# KiCad board Panel_R0.5.1_300x300_2layer_step1.kicad_pcb (continued)
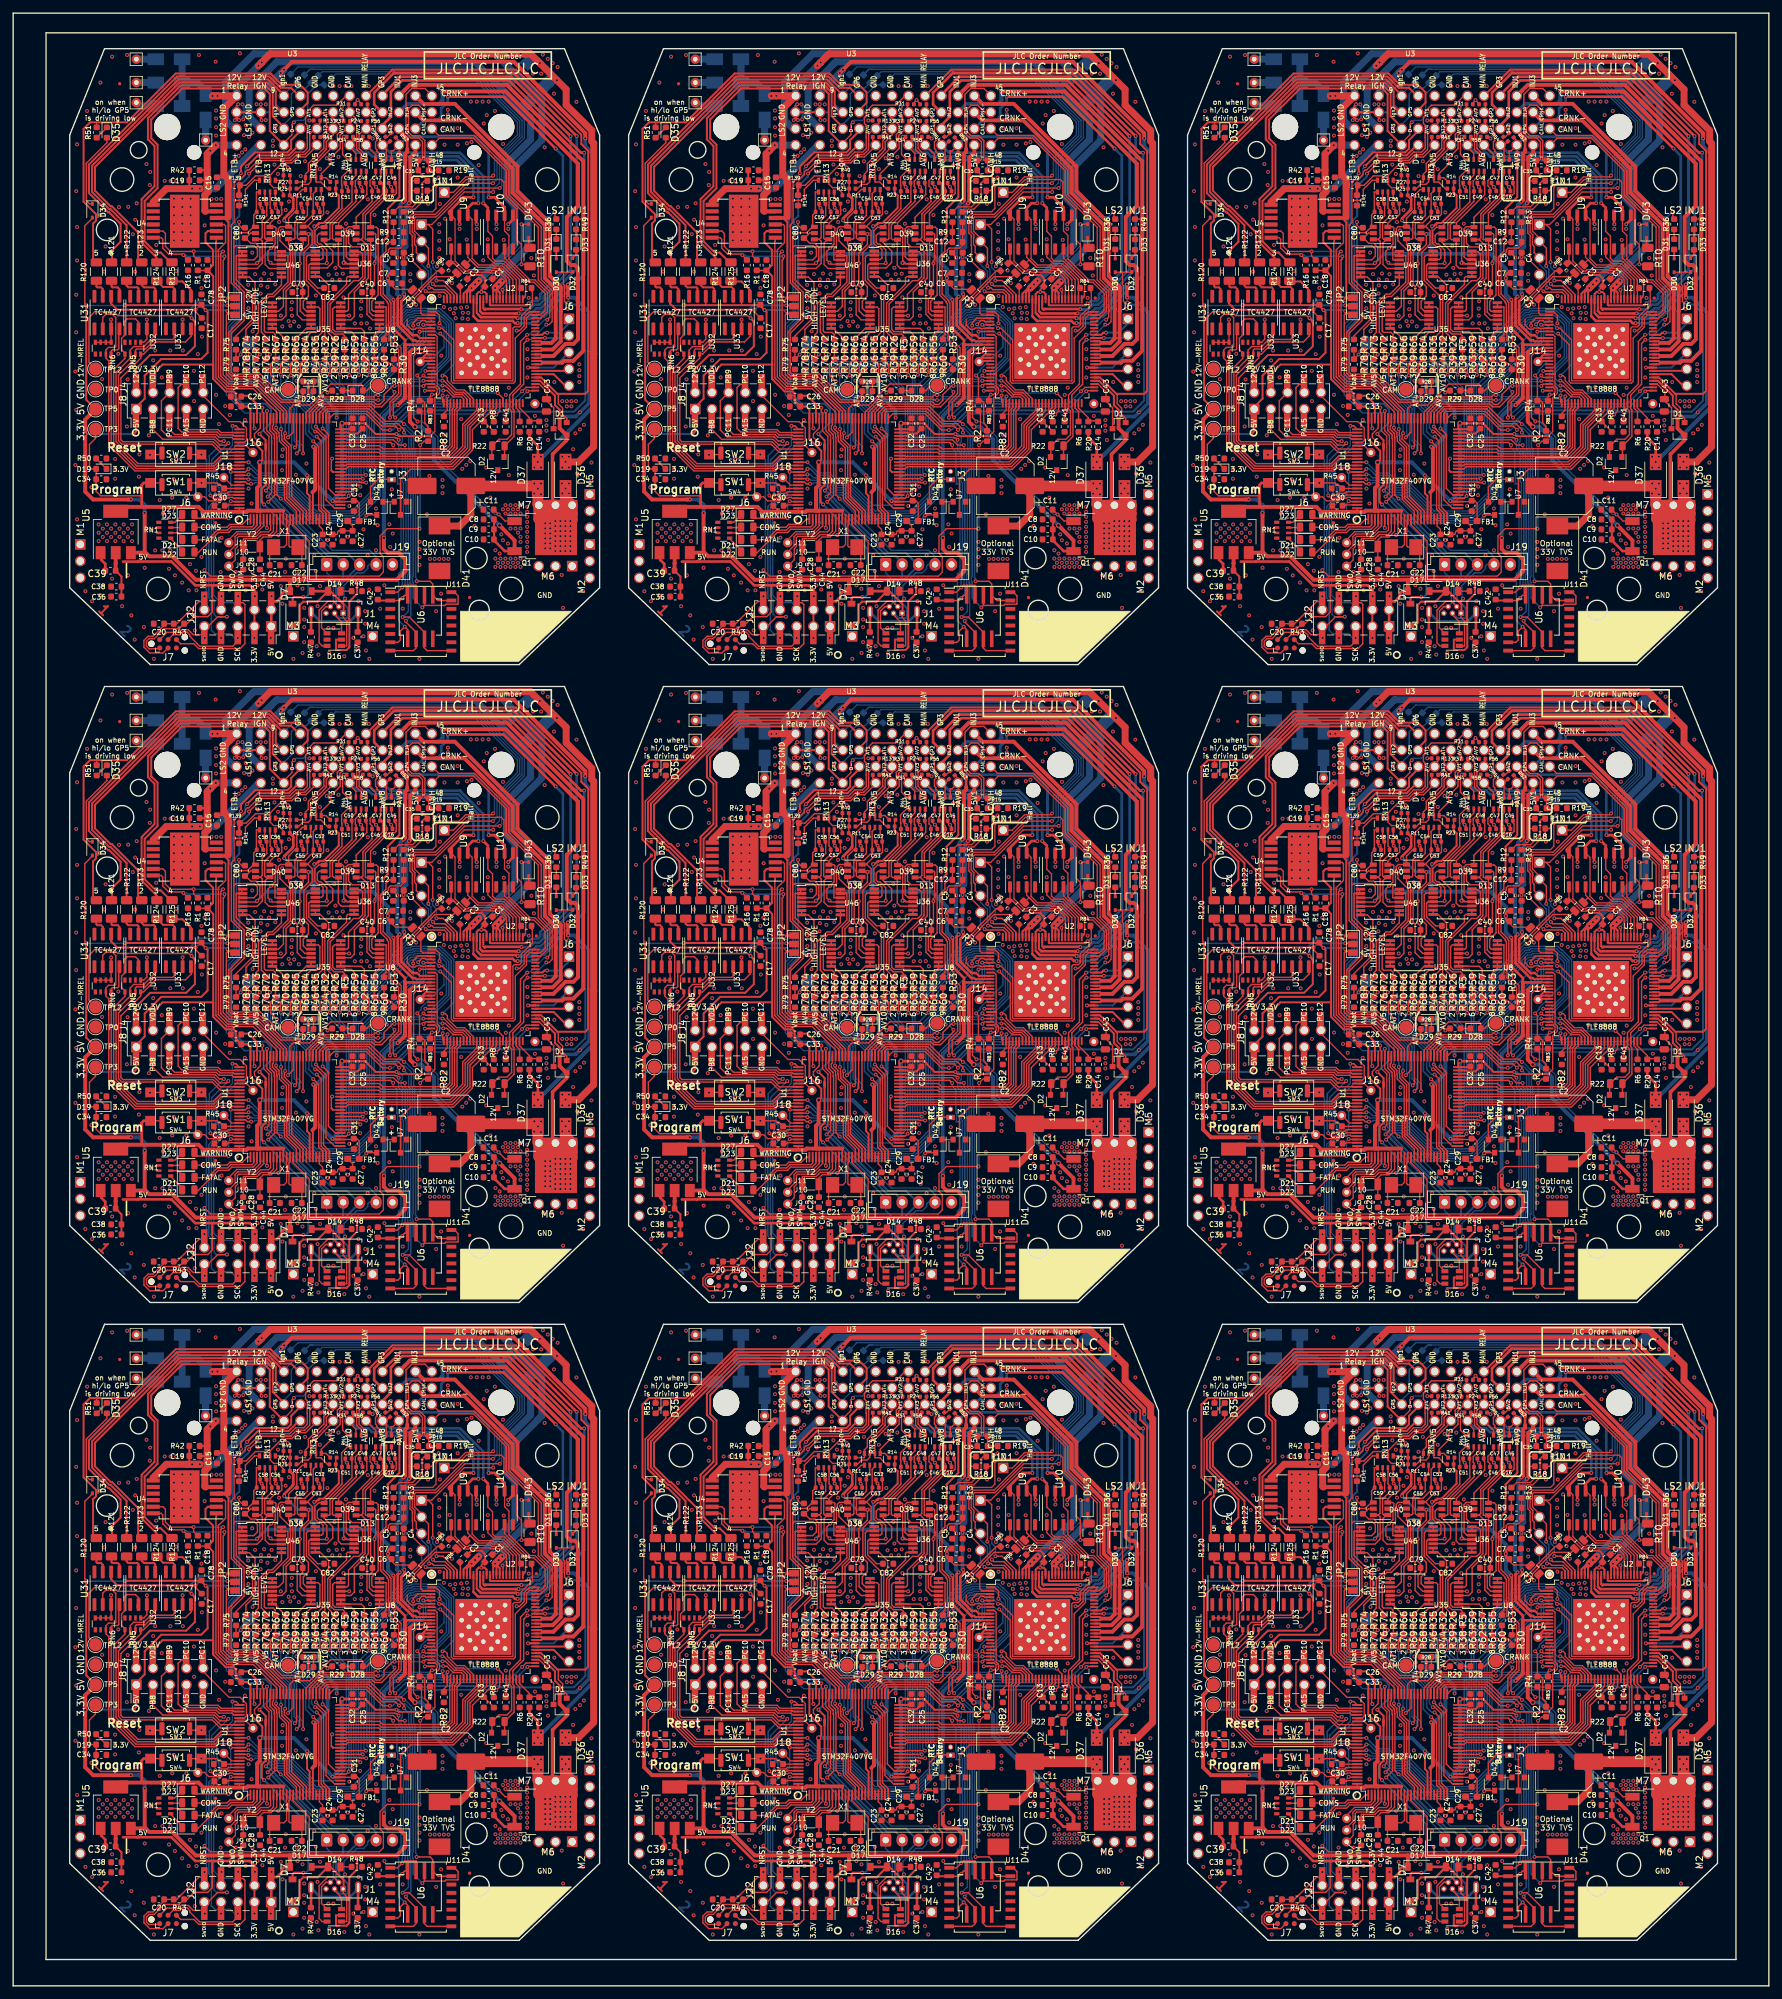
[diagram p0: board, top side]
## Routing (per net, layer and track width the routed paths; a pad name or vN(x,y) marks a point on that pad's centre or on a via; arc(x,y) is an arc through that point) (continued)
/5V2: length 346
  Top w0.203: 142.8,263.57 142.8,263.46 v1(143.4,262.86) ; v1(228.4,262.86) 227.8,263.46 227.8,263.57 ; v1(228.4,165.86) 227.8,166.46 C5#5.1 ; v1(143.4,165.86) 142.8,166.46 C5#4.1 ; C5#6.1 57.8,166.46 v1(58.4,165.86) ; C5#7.1 227.8,69.46 v1(228.4,68.86) ; C5#8.1 142.8,69.46 v1(143.4,68.86) ; C5#9.1 57.8,69.46 v1(58.4,68.86) ; v1(58.4,262.86) 57.8,263.46 57.8,263.57
  Top w0.305: U2#2.10 146.3,250.1 146.15,250.25 ; 231.15,250.25 231.3,250.1 U2#3.10 ; 231.15,153.25 231.3,153.1 U2#5.10 ; 146.15,153.25 146.3,153.1 U2#6.10 ; U2#4.10 61.3,153.1 61.15,153.25 ; 231.15,56.25 231.3,56.1 U2#8.10 ; 146.15,56.25 146.3,56.1 U2#9.10 ; U2#7.10 61.3,56.1 61.15,56.25 ; 61.15,250.25 61.3,250.1 U2.10
  Top w0.406: v1(143.79,256.88) 143.48,256.57 143.48,252.52 145.74,250.25 146.15,250.25 ; 144.9,280.6 144.93,280.57 144.93,279.33 ; v1(228.79,256.88) 228.48,256.57 228.48,252.52 230.74,250.25 231.15,250.25 ; 229.9,280.6 229.93,280.57 229.93,279.33 ; 231.15,153.25 230.74,153.25 228.48,155.52 228.48,159.57 v1(228.79,159.88) ; 229.9,183.6 229.93,183.57 229.93,182.33 ; v1(143.79,159.88) 143.48,159.57 143.48,155.52 145.74,153.25 146.15,153.25 ; 144.9,183.6 144.93,183.57 144.93,182.33 ; v1(58.79,159.88) 58.48,159.57 58.48,155.52 60.74,153.25 61.15,153.25 ; 59.9,183.6 59.93,183.57 59.93,182.33 ; 231.15,56.25 230.74,56.25 228.48,58.52 228.48,62.57 v1(228.79,62.88) ; 229.93,85.33 229.93,86.57 229.9,86.6 ; 144.9,86.6 144.93,86.57 144.93,85.33 ; 146.15,56.25 145.74,56.25 143.48,58.52 143.48,62.57 v1(143.79,62.88) ; v1(58.79,62.88) 58.48,62.57 58.48,58.52 60.74,56.25 61.15,56.25 ; 59.93,85.33 59.93,86.57 59.9,86.6 ; v1(58.79,256.88) 58.48,256.57 58.48,252.52 60.74,250.25 61.15,250.25 ; 59.93,279.33 59.93,280.57 59.9,280.6
  Top w0.6: U3#2.39 143.67,282.27 144.18,281.76 144.18,281.54 144.9,280.82 144.9,280.6 ; 144.93,279.33 144.93,278.93 144.6,278.6 144.6,271.56 v1(144.37,271.33) ; 229.93,279.33 229.93,278.93 229.6,278.6 229.6,271.56 v1(229.37,271.33) ; U3#3.39 228.67,282.27 229.18,281.76 229.18,281.54 229.9,280.82 229.9,280.6 ; 229.93,182.33 229.93,181.93 229.6,181.6 229.6,174.56 v1(229.37,174.33) ; U3#5.39 228.67,185.27 229.18,184.76 229.18,184.54 229.9,183.82 229.9,183.6 ; 144.93,182.33 144.93,181.93 144.6,181.6 144.6,174.56 v1(144.37,174.33) ; U3#6.39 143.67,185.27 144.18,184.76 144.18,184.54 144.9,183.82 144.9,183.6 ; U3#4.39 58.67,185.27 59.18,184.76 59.18,184.54 59.9,183.82 59.9,183.6 ; 59.93,182.33 59.93,181.93 59.6,181.6 59.6,174.56 v1(59.37,174.33) ; 229.93,85.33 229.93,84.93 229.6,84.6 229.6,77.56 v1(229.37,77.33) ; 229.9,86.6 229.9,86.82 229.18,87.54 229.18,87.76 228.67,88.27 U3#7.39 ; v1(144.37,77.33) 144.6,77.56 144.6,84.6 144.93,84.93 144.93,85.33 ; 144.9,86.6 144.9,86.82 144.18,87.54 144.18,87.76 143.67,88.27 U3#9.39 ; U3#8.39 58.67,88.27 59.18,87.76 59.18,87.54 59.9,86.82 59.9,86.6 ; 59.93,85.33 59.93,84.93 59.6,84.6 59.6,77.56 v1(59.37,77.33) ; 59.9,280.6 59.9,280.82 59.18,281.54 59.18,281.76 58.67,282.27 U3.39 ; v1(59.37,271.33) 59.6,271.56 59.6,278.6 59.93,278.93 59.93,279.33
  Bottom w0.6: v1(144.37,271.33) 143.9,270.86 143.9,264.8 143.4,264.3 v1(143.4,262.86) 143.4,257.27 v1(143.79,256.88) ; v1(228.79,256.88) 228.4,257.27 v1(228.4,262.86) 228.4,264.3 228.9,264.8 228.9,270.86 v1(229.37,271.33) ; v1(229.37,174.33) 228.9,173.86 228.9,167.8 228.4,167.3 v1(228.4,165.86) 228.4,160.27 v1(228.79,159.88) ; v1(143.79,159.88) 143.4,160.27 v1(143.4,165.86) 143.4,167.3 143.9,167.8 143.9,173.86 v1(144.37,174.33) ; v1(59.37,174.33) 58.9,173.86 58.9,167.8 58.4,167.3 v1(58.4,165.86) 58.4,160.27 v1(58.79,159.88) ; v1(229.37,77.33) 228.9,76.86 228.9,70.8 228.4,70.3 v1(228.4,68.86) 228.4,63.27 v1(228.79,62.88) ; v1(144.37,77.33) 143.9,76.86 143.9,70.8 143.4,70.3 v1(143.4,68.86) 143.4,63.27 v1(143.79,62.88) ; v1(58.79,62.88) 58.4,63.27 v1(58.4,68.86) 58.4,70.3 58.9,70.8 58.9,76.86 v1(59.37,77.33) ; v1(59.37,271.33) 58.9,270.86 58.9,264.8 58.4,264.3 v1(58.4,262.86) 58.4,257.27 v1(58.79,256.88)
/12V_KEY: length 1053
  Top w0.406: 163.51,236.46 163.51,235.48 164.8,234.2 164.8,231.76 v1(164.79,231.75) 164.99,231.95 ; 248.51,236.46 248.51,235.48 249.8,234.2 249.8,231.76 v1(249.79,231.75) 249.99,231.95 ; 78.51,139.46 78.51,138.48 79.8,137.2 79.8,134.76 v1(79.79,134.75) 79.99,134.95 ; 163.51,139.46 163.51,138.48 164.8,137.2 164.8,134.76 v1(164.79,134.75) 164.99,134.95 ; 249.99,134.95 v1(249.79,134.75) 249.8,134.76 249.8,137.2 248.51,138.48 248.51,139.46 ; 164.99,37.95 v1(164.79,37.75) 164.8,37.76 164.8,40.2 163.51,41.48 163.51,42.46 ; 249.99,37.95 v1(249.79,37.75) 249.8,37.76 249.8,40.2 248.51,41.48 248.51,42.46 ; 79.99,37.95 v1(79.79,37.75) 79.8,37.76 79.8,40.2 78.51,41.48 78.51,42.46 ; 79.99,231.95 v1(79.79,231.75) 79.8,231.76 79.8,234.2 78.51,235.48 78.51,236.46
  Top w0.6: v1(172.01,280.97) 172.01,281.74 161.15,292.6 127.4,292.6 v1(125.7,290.9) ; v1(210.7,290.9) 212.4,292.6 246.15,292.6 257.01,281.74 v1(257.01,280.97) ; v1(87.01,183.97) 87.01,184.74 76.15,195.6 42.4,195.6 v1(40.7,193.9) ; v1(125.7,193.9) 127.4,195.6 161.15,195.6 172.01,184.74 v1(172.01,183.97) ; v1(210.7,193.9) 212.4,195.6 246.15,195.6 257.01,184.74 v1(257.01,183.97) ; v1(125.7,96.9) 127.4,98.6 161.15,98.6 172.01,87.74 v1(172.01,86.97) ; v1(257.01,86.97) 257.01,87.74 246.15,98.6 212.4,98.6 v1(210.7,96.9) ; v1(40.7,96.9) 42.4,98.6 76.15,98.6 87.01,87.74 v1(87.01,86.97) ; v1(87.01,280.97) 87.01,281.74 76.15,292.6 42.4,292.6 v1(40.7,290.9)
  Bottom w0.6: v1(172.01,280.97) 172,280.96 172,279.75 173.4,278.35 173.4,240.36 v1(164.79,231.75) 165.09,232.05 ; v1(257.01,280.97) 257,280.96 257,279.75 258.4,278.35 258.4,240.36 v1(249.79,231.75) 250.09,232.05 ; v1(87.01,183.97) 87,183.96 87,182.75 88.4,181.35 88.4,143.36 v1(79.79,134.75) 80.09,135.05 ; v1(172.01,183.97) 172,183.96 172,182.75 173.4,181.35 173.4,143.36 v1(164.79,134.75) 165.09,135.05 ; v1(257.01,183.97) 257,183.96 257,182.75 258.4,181.35 258.4,143.36 v1(249.79,134.75) 250.09,135.05 ; v1(172.01,86.97) 172,86.96 172,85.75 173.4,84.35 173.4,46.36 v1(164.79,37.75) 165.09,38.05 ; v1(257.01,86.97) 257,86.96 257,85.75 258.4,84.35 258.4,46.36 v1(249.79,37.75) 250.09,38.05 ; v1(87.01,86.97) 87,86.96 87,85.75 88.4,84.35 88.4,46.36 v1(79.79,37.75) 80.09,38.05 ; 80.09,232.05 v1(79.79,231.75) 88.4,240.36 88.4,278.35 87,279.75 87,280.96 v1(87.01,280.97)
  Bottom w1.067: U3#2.5 122.67,287.87 v1(125.7,290.9) 126.18,291.38 ; 211.18,291.38 v1(210.7,290.9) 207.67,287.87 U3#3.5 ; U3#4.5 37.67,190.87 v1(40.7,193.9) 41.18,194.38 ; 126.18,194.38 v1(125.7,193.9) 122.67,190.87 U3#6.5 ; U3#5.5 207.67,190.87 v1(210.7,193.9) 211.18,194.38 ; 126.18,97.38 v1(125.7,96.9) 122.67,93.87 U3#9.5 ; U3#7.5 207.67,93.87 v1(210.7,96.9) 211.18,97.38 ; 41.18,97.38 v1(40.7,96.9) 37.67,93.87 U3#8.5 ; 41.18,291.38 v1(40.7,290.9) 37.67,287.87 U3.5
  vias: v1(41.2,291.4) v1(41.2,194.4) v1(41.2,97.4) v1(79.26,232.55) v1(79.26,230.89) v1(79.26,135.54) v1(79.26,133.89) v1(79.26,38.55) v1(79.26,36.89) v1(80.28,232.55) v1(80.28,230.89) v1(80.28,135.54) v1(80.28,133.89) v1(80.28,38.55) v1(80.28,36.89) v1(126.2,291.4) v1(126.2,194.4) v1(126.2,97.4) v1(164.26,232.55) v1(164.26,230.89) v1(164.26,135.54) v1(164.26,133.89) v1(164.26,38.55) v1(164.26,36.89) v1(165.28,232.55) v1(165.28,230.89) v1(165.28,135.54) v1(165.28,133.89) v1(165.28,38.55) v1(165.28,36.89) v1(211.2,291.4) v1(211.2,194.4) v1(211.2,97.4) v1(249.26,232.55) v1(249.26,230.89) v1(249.26,135.54) v1(249.26,133.89) v1(249.26,38.55) v1(249.26,36.89) v1(250.28,232.55) v1(250.28,230.89) v1(250.28,135.54) v1(250.28,133.89) v1(250.28,38.55) v1(250.28,36.89)
/12V_MREL: length 2069.5
  Top w0.216: v1(112.14,253.61) 111.7,254 100.9,254 100.3,254.6 97.4,254.6 96.53,253.72 96.53,246.93 97.57,245.88 ; 182.57,245.88 181.53,246.93 181.53,253.72 182.4,254.6 185.3,254.6 185.9,254 196.7,254 v1(197.14,253.61) ; v1(27.14,156.61) 26.7,157 15.9,157 15.3,157.6 12.4,157.6 11.53,156.72 11.53,149.93 12.57,148.88 ; 97.57,148.88 96.53,149.93 96.53,156.72 97.4,157.6 100.3,157.6 100.9,157 111.7,157 v1(112.14,156.61) ; 182.57,148.88 181.53,149.93 181.53,156.72 182.4,157.6 185.3,157.6 185.9,157 196.7,157 v1(197.14,156.61) ; 97.57,51.88 96.53,52.93 96.53,59.72 97.4,60.6 100.3,60.6 100.9,60 111.7,60 v1(112.14,59.61) ; 182.57,51.88 181.53,52.93 181.53,59.72 182.4,60.6 185.3,60.6 185.9,60 196.7,60 v1(197.14,59.61) ; 12.57,51.88 11.53,52.93 11.53,59.72 12.4,60.6 15.3,60.6 15.9,60 26.7,60 v1(27.14,59.61) ; v1(27.14,253.61) 26.7,254 15.9,254 15.3,254.6 12.4,254.6 11.53,253.72 11.53,246.93 12.57,245.88
  Top w0.305: 117.08,268.86 117.74,268.2 117.74,256.91 117.58,256.74 v1(117.58,256.32) 117.99,256.73 JP2#2.3 ; C15#2.1 117.46,275.04 117.7,274.8 ; v1(112.14,253.61) 112.6,253.15 112.6,253.05 112.64,253 112.64,249.34 111.31,248.01 105.81,248.01 103.68,245.88 J4#2.2 ; 202.7,274.8 202.46,275.04 C15#3.1 ; JP2#3.3 202.99,256.73 v1(202.58,256.32) 202.58,256.74 202.74,256.91 202.74,268.2 202.08,268.86 ; v1(197.14,253.61) 197.6,253.15 197.6,253.05 197.64,253 197.64,249.34 196.31,248.01 190.81,248.01 188.68,245.88 J4#3.2 ; 32.08,171.86 32.74,171.2 32.74,159.91 32.58,159.74 v1(32.58,159.32) 32.99,159.73 JP2#6.3 ; C15#6.1 32.46,178.04 32.7,177.8 ; v1(27.14,156.61) 27.6,156.15 27.6,156.05 27.64,156 27.64,152.34 26.31,151.01 20.81,151.01 18.68,148.88 J4#4.2 ; 117.7,177.8 117.46,178.04 C15#4.1 ; JP2#4.3 117.99,159.73 v1(117.58,159.32) 117.58,159.74 117.74,159.91 117.74,171.2 117.08,171.86 ; v1(112.14,156.61) 112.6,156.15 112.6,156.05 112.64,156 112.64,152.34 111.31,151.01 105.81,151.01 103.68,148.88 J4#6.2 ; JP2#5.3 202.99,159.73 v1(202.58,159.32) 202.58,159.74 202.74,159.91 202.74,171.2 202.08,171.86 ; 202.7,177.8 202.46,178.04 C15#5.1 ; v1(197.14,156.61) 197.6,156.15 197.6,156.05 197.64,156 197.64,152.34 196.31,151.01 190.81,151.01 188.68,148.88 J4#5.2 ; 117.7,80.8 117.46,81.04 C15#8.1 ; JP2#7.3 117.99,62.73 v1(117.58,62.32) 117.58,62.74 117.74,62.91 117.74,74.2 117.08,74.86 ; v1(112.14,59.61) 112.6,59.15 112.6,59.05 112.64,59 112.64,55.34 111.31,54.01 105.81,54.01 103.68,51.88 J4#9.2 ; JP2#8.3 202.99,62.73 v1(202.58,62.32) 202.58,62.74 202.74,62.91 202.74,74.2 202.08,74.86 ; 202.7,80.8 202.46,81.04 C15#7.1 ; v1(197.14,59.61) 197.6,59.15 197.6,59.05 197.64,59 197.64,55.34 196.31,54.01 190.81,54.01 188.68,51.88 J4#8.2 ; C15#9.1 32.46,81.04 32.7,80.8 ; 32.08,74.86 32.74,74.2 32.74,62.91 32.58,62.74 v1(32.58,62.32) 32.99,62.73 JP2#9.3 ; v1(27.14,59.61) 27.6,59.15 27.6,59.05 27.64,59 27.64,55.34 26.31,54.01 20.81,54.01 18.68,51.88 J4#7.2 ; 32.7,274.8 32.46,275.04 C15.1 ; JP2.3 32.99,256.73 v1(32.58,256.32) 32.58,256.74 32.74,256.91 32.74,268.2 32.08,268.86 ; v1(27.14,253.61) 27.6,253.15 27.6,253.05 27.64,253 27.64,249.34 26.31,248.01 20.81,248.01 18.68,245.88 J4.2
  Top w0.406: 117.57,268.86 117.58,268.87 ; 202.57,268.86 202.58,268.87 ; 32.57,171.86 32.58,171.87 ; 117.57,171.86 117.58,171.87 ; 202.57,171.86 202.58,171.87 ; 117.57,74.86 117.58,74.87 ; 202.57,74.86 202.58,74.87 ; 32.57,74.86 32.58,74.87 ; 32.57,268.86 32.58,268.87
  Top w0.6: U4#2.4 117.57,268.86 ; U4#3.4 202.57,268.86 ; U4#6.4 32.57,171.86 ; U4#4.4 117.57,171.86 ; U4#5.4 202.57,171.86 ; U4#8.4 117.57,74.86 ; U4#7.4 202.57,74.86 ; U4#9.4 32.57,74.86 ; U4.4 32.57,268.86
  Top w1.067: 118.98,287.43 117.04,285.48 117.04,285.48 117.04,275.46 117.7,274.8 117.7,268.99 ; U3#2.1 v1(116.08,287.43) 115.33,287.43 v1(115.3,287.4) ; D36#2.2 170.97,231.75 173.28,234.06 173.28,248.19 173.29,248.2 173.29,280.19 173,280.49 173,282.15 169.1,286.04 169.1,288.4 v1(167.7,289.8) v1(166.85,290.65) v1(165.1,292.4) 163.69,293.81 v1(162.2,293.8) v1(160.42,293.8) 124.11,293.81 122.8,292.51 v1(122.8,292.5) v1(122.3,292) ; v1(200.3,287.4) 200.33,287.43 v1(201.08,287.43) U3#3.1 ; 202.7,268.99 202.7,274.8 202.04,275.46 202.04,285.48 202.04,285.48 203.98,287.43 ; D36#3.2 255.97,231.75 258.28,234.06 258.28,248.19 258.29,248.2 258.29,280.19 258,280.49 258,282.15 254.1,286.04 254.1,288.4 v1(252.7,289.8) v1(251.85,290.65) v1(250.1,292.4) 248.69,293.81 v1(247.2,293.8) v1(245.42,293.8) 209.11,293.81 207.8,292.51 v1(207.8,292.5) v1(207.3,292) ; 33.98,190.43 32.04,188.48 32.04,188.48 32.04,178.46 32.7,177.8 32.7,171.99 ; U3#4.1 v1(31.08,190.43) 30.33,190.43 v1(30.3,190.4) ; D36#4.2 85.97,134.75 88.28,137.06 88.28,151.19 88.29,151.2 88.29,183.19 88,183.49 88,185.15 84.1,189.04 84.1,191.4 v1(82.7,192.8) v1(81.85,193.65) v1(80.1,195.4) 78.69,196.81 v1(77.2,196.8) v1(75.42,196.8) 39.11,196.81 37.8,195.51 v1(37.8,195.5) v1(37.3,195) ; v1(115.3,190.4) 115.33,190.43 v1(116.08,190.43) U3#6.1 ; 117.7,171.99 117.7,177.8 117.04,178.46 117.04,188.48 117.04,188.48 118.98,190.43 ; D36#6.2 170.97,134.75 173.28,137.06 173.28,151.19 173.29,151.2 173.29,183.19 173,183.49 173,185.15 169.1,189.04 169.1,191.4 v1(167.7,192.8) v1(166.85,193.65) v1(165.1,195.4) 163.69,196.81 v1(162.2,196.8) v1(160.42,196.8) 124.11,196.81 122.8,195.51 v1(122.8,195.5) v1(122.3,195) ; v1(200.3,190.4) 200.33,190.43 v1(201.08,190.43) U3#5.1 ; 202.7,171.99 202.7,177.8 202.04,178.46 202.04,188.48 202.04,188.48 203.98,190.43 ; D36#5.2 255.97,134.75 258.28,137.06 258.28,151.19 258.29,151.2 258.29,183.19 258,183.49 258,185.15 254.1,189.04 254.1,191.4 v1(252.7,192.8) v1(251.85,193.65) v1(250.1,195.4) 248.69,196.81 v1(247.2,196.8) v1(245.42,196.8) 209.11,196.81 207.8,195.51 v1(207.8,195.5) v1(207.3,195) ; 117.7,74.99 117.7,80.8 117.04,81.46 117.04,91.48 117.04,91.48 118.98,93.43 ; v1(115.3,93.4) 115.33,93.43 v1(116.08,93.43) U3#9.1 ; D36#9.2 170.97,37.75 173.28,40.06 173.28,54.19 173.29,54.2 173.29,86.19 173,86.49 173,88.15 169.1,92.04 169.1,94.4 v1(167.7,95.8) v1(166.85,96.65) v1(165.1,98.4) 163.69,99.81 v1(162.2,99.8) v1(160.42,99.8) 124.11,99.81 122.8,98.51 v1(122.8,98.5) v1(122.3,98) ; v1(200.3,93.4) 200.33,93.43 v1(201.08,93.43) U3#7.1 ; 202.7,74.99 202.7,80.8 202.04,81.46 202.04,91.48 202.04,91.48 203.98,93.43 ; v1(207.3,98) v1(207.8,98.5) 207.8,98.51 209.11,99.81 v1(245.42,99.8) v1(247.2,99.8) 248.69,99.81 v1(250.1,98.4) v1(251.85,96.65) v1(252.7,95.8) 254.1,94.4 254.1,92.04 258,88.15 258,86.49 258.29,86.19 258.29,54.2 258.28,54.19 258.28,40.06 255.97,37.75 D36#8.2 ; 33.98,93.43 32.04,91.48 32.04,91.48 32.04,81.46 32.7,80.8 32.7,74.99 ; v1(30.3,93.4) 30.33,93.43 v1(31.08,93.43) U3#8.1 ; D36#7.2 85.97,37.75 88.28,40.06 88.28,54.19 88.29,54.2 88.29,86.19 88,86.49 88,88.15 84.1,92.04 84.1,94.4 v1(82.7,95.8) v1(81.85,96.65) v1(80.1,98.4) 78.69,99.81 v1(77.2,99.8) v1(75.42,99.8) 39.11,99.81 37.8,98.51 v1(37.8,98.5) v1(37.3,98) ; U3.1 v1(31.08,287.43) 30.33,287.43 v1(30.3,287.4) ; D36.2 85.97,231.75 88.28,234.06 88.28,248.19 88.29,248.2 88.29,280.19 88,280.49 88,282.15 84.1,286.04 84.1,288.4 v1(82.7,289.8) v1(81.85,290.65) v1(80.1,292.4) 78.69,293.81 v1(77.2,293.8) v1(75.42,293.8) 39.11,293.81 37.8,292.51 v1(37.8,292.5) v1(37.3,292) ; 32.7,268.99 32.7,274.8 32.04,275.46 32.04,285.48 32.04,285.48 33.98,287.43
  Bottom w0.305: v1(117.58,256.32) 113.28,256.32 112.14,255.18 v1(112.14,253.61) ; v1(197.14,253.61) 197.14,255.18 198.28,256.32 v1(202.58,256.32) ; v1(32.58,159.32) 28.28,159.32 27.14,158.18 v1(27.14,156.61) ; v1(112.14,156.61) 112.14,158.18 113.28,159.32 v1(117.58,159.32) ; v1(197.14,156.61) 197.14,158.18 198.28,159.32 v1(202.58,159.32) ; v1(112.14,59.61) 112.14,61.18 113.28,62.32 v1(117.58,62.32) ; v1(197.14,59.61) 197.14,61.18 198.28,62.32 v1(202.58,62.32) ; v1(27.14,59.61) 27.14,61.18 28.28,62.32 v1(32.58,62.32) ; v1(32.58,256.32) 28.28,256.32 27.14,255.18 v1(27.14,253.61)
  Bottom w0.406: v1(167.7,289.8) 166.93,289.03 D15#2.1 165.93,289.73 v1(166.85,290.65) ; v1(165.1,292.4) 164.79,292.71 D20#2.1 163.49,292.71 162.4,293.8 v1(162.2,293.8) ; v1(252.7,289.8) 251.93,289.03 D15#3.1 250.93,289.73 v1(251.85,290.65) ; v1(247.2,293.8) 247.4,293.8 248.49,292.71 D20#3.1 249.79,292.71 v1(250.1,292.4) ; v1(82.7,192.8) 81.93,192.03 D15#4.1 80.93,192.73 v1(81.85,193.65) ; v1(80.1,195.4) 79.79,195.71 D20#4.1 78.49,195.71 77.4,196.8 v1(77.2,196.8) ; v1(167.7,192.8) 166.93,192.03 D15#6.1 165.93,192.73 v1(166.85,193.65) ; v1(162.2,196.8) 162.4,196.8 163.49,195.71 D20#6.1 164.79,195.71 v1(165.1,195.4) ; v1(252.7,192.8) 251.93,192.03 D15#5.1 250.93,192.73 v1(251.85,193.65) ; v1(247.2,196.8) 247.4,196.8 248.49,195.71 D20#5.1 249.79,195.71 v1(250.1,195.4) ; v1(167.7,95.8) 166.93,95.03 D15#9.1 165.93,95.73 v1(166.85,96.65) ; v1(165.1,98.4) 164.79,98.71 D20#9.1 163.49,98.71 162.4,99.8 v1(162.2,99.8) ; v1(252.7,95.8) 251.93,95.03 D15#8.1 250.93,95.73 v1(251.85,96.65) ; v1(247.2,99.8) 247.4,99.8 248.49,98.71 D20#8.1 249.79,98.71 v1(250.1,98.4) ; v1(82.7,95.8) 81.93,95.03 D15#7.1 80.93,95.73 v1(81.85,96.65) ; v1(77.2,99.8) 77.4,99.8 78.49,98.71 D20#7.1 79.79,98.71 v1(80.1,98.4) ; v1(80.1,292.4) 79.79,292.71 D20.1 78.49,292.71 77.4,293.8 v1(77.2,293.8) ; v1(82.7,289.8) 81.93,289.03 D15.1 80.93,289.73 v1(81.85,290.65)
  Bottom w1.067: v1(122.8,292.5) 122.02,291.73 118.98,288.69 118.98,287.43 ; D3#2.1 D5#2.1 ; D5#2.1 113,289.44 114.28,288.17 D4#2.1 114.6,287.43 v1(116.08,287.43) 116.04,287.4 v1(115.3,287.4) ; D5#2.1 D6#2.1 ; v1(207.8,292.5) 207.02,291.73 203.98,288.69 203.98,287.43 ; D3#3.1 D5#3.1 ; D5#3.1 D6#3.1 ; D5#3.1 198,289.44 199.28,288.17 D4#3.1 199.6,287.43 v1(201.08,287.43) 201.04,287.4 v1(200.3,287.4) ; v1(37.8,195.5) 37.02,194.73 33.98,191.69 33.98,190.43 ; D3#4.1 D5#4.1 ; D5#4.1 28.01,192.44 29.27,191.17 D4#4.1 29.6,190.43 v1(31.08,190.43) 31.04,190.4 v1(30.3,190.4) ; D5#4.1 D6#4.1 ; v1(122.8,195.5) 122.02,194.73 118.98,191.69 118.98,190.43 ; D3#6.1 D5#6.1 ; D5#6.1 D6#6.1 ; D5#6.1 113,192.44 114.28,191.17 D4#6.1 114.6,190.43 v1(116.08,190.43) 116.04,190.4 v1(115.3,190.4) ; v1(207.8,195.5) 207.02,194.73 203.98,191.69 203.98,190.43 ; D3#5.1 D5#5.1 ; D5#5.1 D6#5.1 ; D5#5.1 198,192.44 199.28,191.17 D4#5.1 199.6,190.43 v1(201.08,190.43) 201.04,190.4 v1(200.3,190.4) ; v1(122.8,98.5) 122.02,97.73 118.98,94.69 118.98,93.43 ; D3#9.1 D5#9.1 ; D5#9.1 D6#9.1 ; D5#9.1 113,95.44 114.28,94.17 D4#9.1 114.6,93.43 v1(116.08,93.43) 116.04,93.4 v1(115.3,93.4) ; v1(207.8,98.5) 207.02,97.73 203.98,94.69 203.98,93.43 ; D3#8.1 D5#8.1 ; D5#8.1 D6#8.1 ; D5#8.1 198,95.44 199.28,94.17 D4#8.1 199.6,93.43 v1(201.08,93.43) 201.04,93.4 v1(200.3,93.4) ; v1(37.8,98.5) 37.02,97.73 33.98,94.69 33.98,93.43 ; D3#7.1 D5#7.1 ; D5#7.1 D6#7.1 ; D5#7.1 28.01,95.44 29.27,94.17 D4#7.1 29.6,93.43 v1(31.08,93.43) 31.04,93.4 v1(30.3,93.4) ; D3.1 D5.1 ; D5.1 D6.1 ; D5.1 28.01,289.44 29.27,288.17 D4.1 29.6,287.43 v1(31.08,287.43) 31.04,287.4 v1(30.3,287.4) ; v1(37.8,292.5) 37.02,291.73 33.98,288.69 33.98,287.43
  vias: v1(83.5,232.55) v1(83.5,230.89) v1(83.5,135.54) v1(83.5,133.89) v1(83.5,38.55) v1(83.5,36.89) v1(84.01,231.78) v1(84.01,134.78) v1(84.01,37.78) v1(84.52,232.55) v1(84.52,230.89) v1(84.52,135.54) v1(84.52,133.89) v1(84.52,38.55) v1(84.52,36.89) v1(168.5,232.55) v1(168.5,230.89) v1(168.5,135.54) v1(168.5,133.89) v1(168.5,38.55) v1(168.5,36.89) v1(169.01,231.78) v1(169.01,134.78) v1(169.01,37.78) v1(169.52,232.55) v1(169.52,230.89) v1(169.52,135.54) v1(169.52,133.89) v1(169.52,38.55) v1(169.52,36.89) v1(253.5,232.55) v1(253.5,230.89) v1(253.5,135.54) v1(253.5,133.89) v1(253.5,38.55) v1(253.5,36.89) v1(254.01,231.78) v1(254.01,134.78) v1(254.01,37.78) v1(254.52,232.55) v1(254.52,230.89) v1(254.52,135.54) v1(254.52,133.89) v1(254.52,38.55) v1(254.52,36.89)
/12V_SAFE: length 1266.1
  Top w0.203: v1(156.2,257.6) 156.2,257.9 C1#2.1 ; v1(162.3,267.9) D43#2.2 ; v1(241.2,257.6) 241.2,257.9 C1#3.1 ; v1(247.3,267.9) D43#3.2 ; v1(71.2,160.6) 71.2,160.9 C1#6.1 ; v1(77.3,170.9) D43#4.2 ; v1(156.2,160.6) 156.2,160.9 C1#4.1 ; v1(162.3,170.9) D43#6.2 ; v1(241.2,160.6) 241.2,160.9 C1#5.1 ; v1(247.3,170.9) D43#5.2 ; v1(156.2,63.6) 156.2,63.9 C1#8.1 ; v1(162.3,73.9) D43#9.2 ; v1(241.2,63.6) 241.2,63.9 C1#7.1 ; v1(247.3,73.9) D43#8.2 ; v1(77.3,73.9) D43#7.2 ; v1(71.2,63.6) 71.2,63.9 C1#9.1 ; C1.1 71.2,257.9 v1(71.2,257.6) ; v1(77.3,267.9) D43.2
  Top w0.305: C3.1 154.69,260.19 156.21,260.19 156.74,259.66 C1#2.1 ; U2#2.87 157,257.3 156.7,257.6 v1(156.2,257.6) 155.8,257.6 155.5,257.3 U2#2.90 155.5,255.87 155.49,255.86 155.49,254.41 155.7,254.2 ; v1(168.11,238.65) 168.11,239.69 167.4,240.4 167.4,241.82 165.12,244.1 U2#2.54 ; C1#3.1 241.74,259.66 241.21,260.19 239.69,260.19 C3#2.1 ; 240.7,254.2 240.49,254.41 240.49,255.86 240.5,255.87 U2#3.90 240.5,257.3 240.8,257.6 v1(241.2,257.6) 241.7,257.6 242,257.3 U2#3.87 ; U2#3.54 250.12,244.1 252.4,241.82 252.4,240.4 253.11,239.69 v1(253.11,238.65) ; C3#5.1 69.69,163.19 71.21,163.19 71.74,162.66 C1#6.1 ; U2#4.87 72,160.3 71.7,160.6 v1(71.2,160.6) 70.8,160.6 70.5,160.3 U2#4.90 70.5,158.87 70.49,158.86 70.49,157.41 70.7,157.2 ; v1(83.11,141.65) 83.11,142.69 82.4,143.4 82.4,144.82 80.12,147.1 U2#4.54 ; C1#4.1 156.74,162.66 156.21,163.19 154.69,163.19 C3#3.1 ; 155.7,157.2 155.49,157.41 155.49,158.86 155.5,158.87 U2#6.90 155.5,160.3 155.8,160.6 v1(156.2,160.6) 156.7,160.6 157,160.3 U2#6.87 ; U2#6.54 165.12,147.1 167.4,144.82 167.4,143.4 168.11,142.69 v1(168.11,141.65) ; U2#5.87 242,160.3 241.7,160.6 v1(241.2,160.6) 240.8,160.6 240.5,160.3 U2#5.90 240.5,158.87 240.49,158.86 240.49,157.41 240.7,157.2 ; C3#4.1 239.69,163.19 241.21,163.19 241.74,162.66 C1#5.1 ; v1(253.11,141.65) 253.11,142.69 252.4,143.4 252.4,144.82 250.12,147.1 U2#5.54 ; C1#8.1 156.74,65.66 156.21,66.19 154.69,66.19 C3#7.1 ; U2#9.54 165.12,50.1 167.4,47.82 167.4,46.4 168.11,45.69 v1(168.11,44.65) ; 155.7,60.2 155.49,60.41 155.49,61.86 155.5,61.87 U2#9.90 155.5,63.3 155.8,63.6 v1(156.2,63.6) 156.7,63.6 157,63.3 U2#9.87 ; U2#8.87 242,63.3 241.7,63.6 v1(241.2,63.6) 240.8,63.6 240.5,63.3 U2#8.90 240.5,61.87 240.49,61.86 240.49,60.41 240.7,60.2 ; C1#7.1 241.74,65.66 241.21,66.19 239.69,66.19 C3#6.1 ; v1(253.11,44.65) 253.11,45.69 252.4,46.4 252.4,47.82 250.12,50.1 U2#8.54 ; C3#8.1 69.69,66.19 71.21,66.19 71.74,65.66 C1#9.1 ; 70.7,60.2 70.49,60.41 70.49,61.86 70.5,61.87 U2#7.90 70.5,63.3 70.8,63.6 v1(71.2,63.6) 71.7,63.6 72,63.3 U2#7.87 ; v1(83.11,44.65) 83.11,45.69 82.4,46.4 82.4,47.82 80.12,50.1 U2#7.54 ; 70.7,254.2 70.49,254.41 70.49,255.86 70.5,255.87 U2.90 70.5,257.3 70.8,257.6 v1(71.2,257.6) 71.7,257.6 72,257.3 U2.87 ; U2.54 80.12,244.1 82.4,241.82 82.4,240.4 83.11,239.69 v1(83.11,238.65) ; C3#9.1 69.69,260.19 71.21,260.19 71.74,259.66 C1.1
  Top w0.406: 155.7,254.2 156.14,253.76 161.53,253.76 161.69,253.61 v1(161.73,253.61) ; v1(246.73,253.61) 246.69,253.61 246.53,253.76 241.14,253.76 240.7,254.2 ; 70.7,157.2 71.14,156.76 76.53,156.76 76.69,156.61 v1(76.73,156.61) ; v1(161.73,156.61) 161.69,156.61 161.53,156.76 156.14,156.76 155.7,157.2 ; 240.7,157.2 241.14,156.76 246.53,156.76 246.69,156.61 v1(246.73,156.61) ; 155.7,60.2 156.14,59.76 161.53,59.76 161.69,59.61 v1(161.73,59.61) ; v1(246.73,59.61) 246.69,59.61 246.53,59.76 241.14,59.76 240.7,60.2 ; 70.7,60.2 71.14,59.76 76.53,59.76 76.69,59.61 v1(76.73,59.61) ; 70.7,254.2 71.14,253.76 76.53,253.76 76.69,253.61 v1(76.73,253.61)
  Top w0.55: D1#2.1 169.19,235.09 167.03,232.93 167.03,225.89 167.47,225.45 U3#2.M72 ; v1(169.38,258.73) 169.38,256.79 v1(169.42,256.74) ; D1#3.1 254.19,235.09 252.03,232.93 252.03,225.89 252.47,225.45 U3#3.M72 ; v1(254.38,258.73) 254.38,256.79 v1(254.42,256.74) ; D1#4.1 84.19,138.09 82.03,135.93 82.03,128.89 82.47,128.45 U3#4.M72 ; v1(84.38,161.73) 84.38,159.79 v1(84.42,159.74) ; D1#6.1 169.19,138.09 167.03,135.93 167.03,128.89 167.47,128.45 U3#6.M72 ; v1(169.38,161.73) 169.38,159.79 v1(169.42,159.74) ; D1#5.1 254.19,138.09 252.03,135.93 252.03,128.89 252.47,128.45 U3#5.M72 ; v1(254.38,161.73) 254.38,159.79 v1(254.42,159.74) ; D1#9.1 169.19,41.09 167.03,38.93 167.03,31.89 167.47,31.45 U3#9.M72 ; v1(169.42,62.74) 169.38,62.79 v1(169.38,64.73) ; D1#8.1 254.19,41.09 252.03,38.93 252.03,31.89 252.47,31.45 U3#7.M72 ; v1(254.38,64.73) 254.38,62.79 v1(254.42,62.74) ; D1#7.1 84.19,41.09 82.03,38.93 82.03,31.89 82.47,31.45 U3#8.M72 ; v1(84.38,64.73) 84.38,62.79 v1(84.42,62.74) ; v1(84.42,256.74) 84.38,256.79 v1(84.38,258.73) ; U3.M72 82.47,225.45 82.03,225.89 82.03,232.93 84.19,235.09 D1.1
  Top w0.6: 169.05,235.99 D1#2.1 169.14,235.85 168.11,236.87 v1(168.11,238.65) ; 254.05,235.99 D1#3.1 254.14,235.85 253.11,236.87 v1(253.11,238.65) ; 84.05,138.99 D1#4.1 84.14,138.85 83.11,139.87 v1(83.11,141.65) ; 169.05,138.99 D1#6.1 169.14,138.85 168.11,139.87 v1(168.11,141.65) ; v1(253.11,141.65) 253.11,139.87 254.14,138.85 D1#5.1 254.05,138.99 ; 169.05,41.99 D1#9.1 169.14,41.85 168.11,42.87 v1(168.11,44.65) ; 254.05,41.99 D1#8.1 254.14,41.85 253.11,42.87 v1(253.11,44.65) ; v1(83.11,44.65) 83.11,42.87 84.14,41.85 D1#7.1 84.05,41.99 ; v1(83.11,238.65) 83.11,236.87 84.14,235.85 D1.1 84.05,235.99
  Top w1.067: D41#2.1 149.86,222 152.9,222 154.6,223.7 C2#2.1 ; D41#3.1 234.86,222 237.9,222 239.6,223.7 C2#3.1 ; D41#4.1 64.86,125 67.9,125 69.6,126.7 C2#6.1 ; D41#6.1 149.86,125 152.9,125 154.6,126.7 C2#4.1 ; C2#5.1 239.6,126.7 237.9,125 234.86,125 D41#5.1 ; C2#8.1 154.6,29.7 152.9,28 149.86,28 149.84,27.98 ; 234.83,27.98 234.86,28 237.9,28 239.6,29.7 C2#7.1 ; C2#9.1 69.6,29.7 67.9,28 64.86,28 64.83,27.98 ; D41.1 64.86,222 67.9,222 69.6,223.7 C2.1